# Altium PCB PCB1.PcbDoc (part 2 of 2)
Units mil, origin at the board's own origin, x right, y up, seen from the top; angles counter-clockwise.
Board outline 1259.84 x 1259.84 mil, 4 copper layers (Component Side, Ground Plane, Power Plane, Solder Side), stack 33.234 mil thick; 73 components, 44 nets, 253 pads, 496 vias.
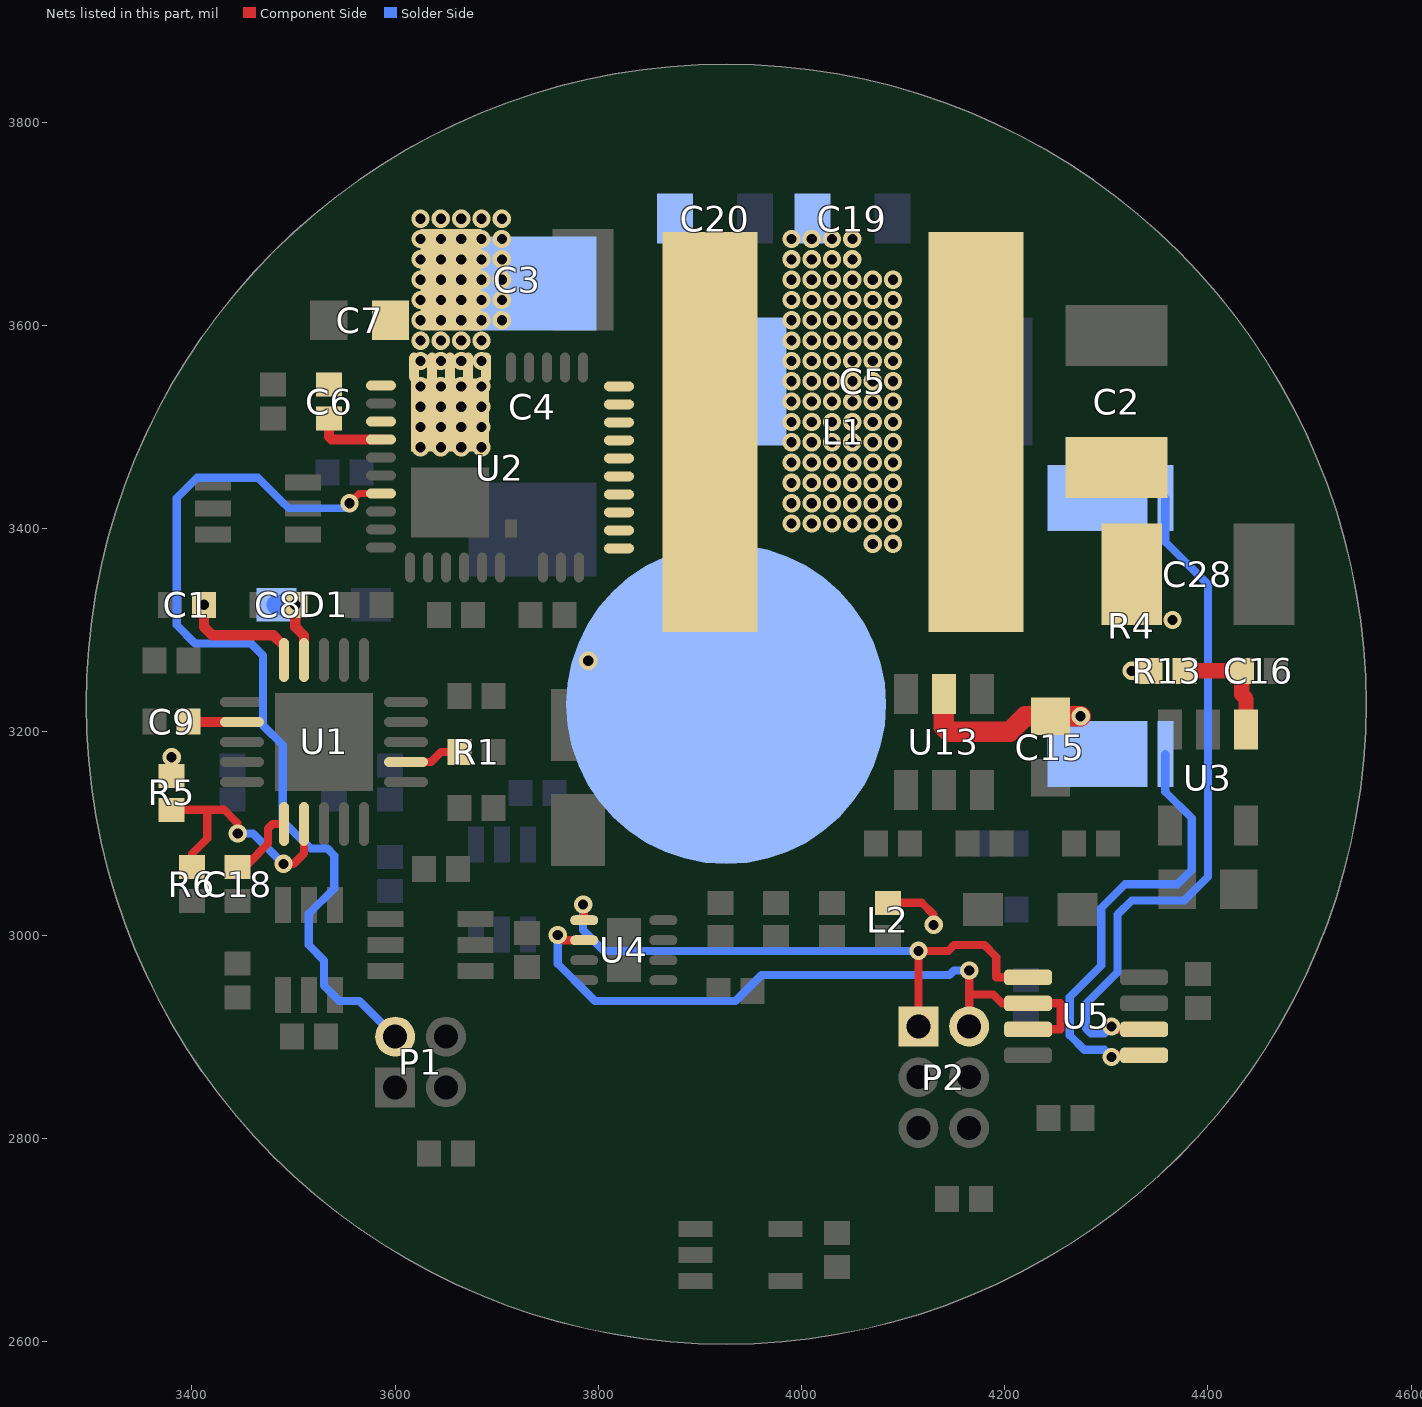
[diagram p4: the nets of this part, all layers, seen from the top]

## Via types
v1: diameter 18, hole 10, Component Side to Solder Side, tented both sides, 496 vias

## Nets (pads, with @x,y where several pads share a name; then routed paths per layer and width w, separated by ;. In a path a pad name is that pad's centre, name@x,y a point inside that pad or via, vN(x,y) a via of type N, cw(c..) or ccw(c..) an arc to the next point about the centre after c; other vN are vias at no path point) (continued)
RT: R1.2 U1.12 | length 56.6
  Component Side w8: U1.12@3610.71,3170.32 3635.32,3170.32 3645,3180 R1.2@3663.27,3180
SCL: P2.1 U4.5 U5.5 | length 608.6
  Component Side w8: U4.5@3786.02,3014.53 v1@3786.02,3028.98 ; P2.1@4130,2925 P2.1@4115,2910 v1(4115,2984.4) 4144.4,2984.4 4150,2990 4180,2990 4191.61,2978.39 4191.61,2958.39 U5.5@4222.91,2958.39
  Solder Side w8: v1(3785,3030) 3785,3005 3805.6,2984.4 v1(4115,2984.4)
SDA: P2.2 U4.6 U5.6 U5.7 | length 690.3
  Component Side w8: v1(3760,3000) 3765.16,2994.84 U4.6@3786.02,2994.84 ; P2.2@4165,2910 4165,2941.29 ; v1(4165,2965) 4165,2941.29 ; U5.7@4222.91,2907.2 4255,2907.2 4255,2932.8 U5.6@4227.91,2932.8 ; U5.6@4222.91,2932.8 4197.2,2932.8 4188.71,2941.29 4165,2941.29
  Solder Side w8: v1(3760,3000) 3760,2971.73 3796.73,2935 3935,2935 3960.6,2960.6 4145.6,2960.6 4150,2965 v1(4165,2965)
SPSBOOT: C6.1 U2.33 | length 66.9
  Component Side w10: 3535,3490 C6.1@3535,3508.27 ; 3537.36,3487.64 U2.33@3585.99,3487.64
SPSLX: C6.2 U2.32
SPSTEMP: P1.2 U2.36 | length 921.2
  Component Side w7: v1(3555,3425) 3564.49,3434.49 U2.36@3585.99,3434.49
  Solder Side w7: 3490,3425 3495,3420 3550,3420 v1(3555,3425)
  Solder Side w8: 3490,3425 3465,3450 3405,3450 3385,3430 3385,3305 3403.17,3286.83 3458.17,3286.83 3470,3275 3470,3206.3 3489.4,3186.9 3489.4,3112.15 3516.55,3085 3533.27,3085 3540,3078.27 3540,3045.87 3515,3020.87 3515,2990 3530,2975 3530,2950 3545,2935 3565,2935 P1.2@3600,2900
SS: C18.2 U1.6 | length 60.7
  Component Side w8: C18.2@3455,3070 3475,3090 3475,3105 3479.29,3109.29 U1.6@3490.63,3109.29
SW: L1.1 U2.10 U2.11 U2.12 U2.13 U2.14 U2.15 U2.16 U2.17 U2.18 U2.19
VBATT: C3.2 C4.1 C5.1 C7.2 C19.2 C20.2 R4.0 U2.25 U2.26 U2.27 U2.28 U2.29 U2.30
  other v1: 4070,3385 4090,3385 3990,3405 4010,3405 4030,3405 4050,3405 4070,3405 4090,3405 3990,3425 4010,3425 4030,3425 4050,3425 4070,3425 4090,3425 3990,3445 4010,3445 4030,3445 4050,3445 4070,3445 4090,3445 3990,3465 4010,3465 4030,3465 4050,3465 4070,3465 4090,3465 3625,3480 3645,3480 3665,3480 3685,3480 3990,3485 4010,3485 4030,3485 4050,3485 4070,3485 4090,3485 3625,3500 3645,3500 3665,3500 3685,3500 3990,3505 4010,3505 4030,3505 4050,3505 4070,3505 4090,3505 3625,3520 3645,3520 3665,3520 3685,3520 3990,3525 4010,3525 4030,3525 4050,3525 4070,3525 4090,3525 3625,3540 3645,3540 3665,3540 3685,3540 3990,3545 4010,3545 4030,3545 4050,3545 4070,3545 4090,3545 3625,3565 3645,3565 3665,3565 3685,3565 3990,3565 4010,3565 4030,3565 4050,3565 4070,3565 4090,3565 3625,3585 3645,3585 3665,3585 3685,3585 3990,3585 4010,3585 4030,3585 4050,3585 4070,3585 4090,3585 3625,3605 3645,3605 3665,3605 3685,3605 3705,3605 3990,3605 4010,3605 4030,3605 4050,3605 4070,3605 4090,3605 3625,3625 3645,3625 3665,3625 3685,3625 3705,3625 3990,3625 4010,3625 4030,3625 4050,3625 4070,3625 4090,3625 3625,3645 3645,3645 3665,3645 3685,3645 3705,3645 3990,3645 4010,3645 4030,3645 4050,3645 4070,3645 4090,3645 3625,3665 3645,3665 3665,3665 3685,3665 3705,3665 3990,3665 4010,3665 4030,3665 4050,3665 3625,3685 3645,3685 3665,3685 3685,3685 3705,3685 3990,3685 4010,3685 4030,3685 4050,3685 3625,3705 3645,3705 3665,3705 3685,3705 3705,3705
VCCINT: C8.2 D1.1 U1.19 | length 79.6
  Component Side w10: v1(3501.73,3325) 3501.73,3303.27 3510.31,3294.69 U1.19@3510.31,3270.71
  Solder Side w10: D1.1@3480,3325 D1.1@3483.4,3325
  Solder Side w20: D1.1@3483.4,3325 v1(3501.73,3325)
VCCS: C1.2 C15.2 pad.0 R4.1 R13.1 U1.20 U13.5 | length 315.8
  Component Side w10: v1(3411.73,3325) 3411.73,3303.27 3420,3295 3480,3295 3490.63,3284.37 U1.20@3490.63,3270.71
  Component Side w15: v1(4325,3260) R13.1@4343.27,3260
  Component Side w20: U13.5@4140,3237.24 4140,3205 4145.04,3199.96 4204.96,3199.96 4220.31,3215.32 C15.2@4245,3215.32 v1(4274.69,3215.32)
  other v1: 3790,3270
VFB: R5.1 R6.1 U1.7 | length 254.2
  Component Side w8: R5.1@3380,3123.27 3415,3123.27 ; R6.1@3400,3066.73 3400,3080 3415,3095 3415,3123.27 ; v1(3445,3100) 3445,3110 3431.73,3123.27 3415,3123.27 ; v1(3490,3070) 3500,3070 3510.31,3080.31 U1.7@3510.31,3109.29
  Solder Side w8: v1(3445,3100) 3460,3100 v1(3490,3070)
VLDO: C16.2 R13.2 U3.1 | length 116
  Component Side w15: R13.2@4376.73,3260 C16.2@4433.27,3260 4433.27,3236.73 4437.4,3232.6 U3.1@4437.4,3202.24
VLED: C2.2 C28.2 L1.2 L2.1 R5.2 | length 78.1
  Component Side w8: R5.2@3380,3156.73 v1(3380,3175) ; L2.1@4085,3031.73 4118.27,3031.73 4130,3020 v1(4130,3010)
  other v1: 4365,3310
VREF: C9.2 U1.2 | length 52.7
  Component Side w10: C9.2@3396.73,3210 3397.05,3209.69 U1.2@3449.29,3209.69
VSEN_N: R4.2 U5.2 | length 687.6
  Component Side w8: v1(4305,2910) 4307.8,2907.2 U5.2@4342.09,2907.2
  Solder Side w8: v1(4305,2910) 4298,2903 4285,2903 4280,2908 4280,2932.37 4311,2963.37 4311,3020 4325,3034 4376.63,3034 4400,3057.37 4400,3345 4357.99,3387.01 R4.2@4357.99,3430
VSEN_P: R4.3 U5.1 | length 454.9
  Component Side w8: v1(4305,2880) 4306.61,2881.61 U5.1@4342.09,2881.61
  Solder Side w8: v1(4305,2880) 4298,2887 4278.37,2887 4264,2901.37 4264,2939 4295,2970 4295,3026.63 4318.37,3050 4370,3050 4384,3064 4384,3115 4357.99,3141.01 R4.3@4357.99,3177.99
pads on no net: U2.1 U2.6 U2.31 U2.37 U2.39 U2.41 U3.2

## Polygon pours and split planes (outlines as drawn)
GND on Component Side "Component Side-No Net 1" (solid, remove dead copper, pour order 87): 17 vertices, not listed, extent 4208.3,2924.5 4384.41,3140
GND on Component Side "Component Side-No Net 1" (solid, remove dead copper, pour order 81): 4076.6,2840 4188.23,2840 4190.93,2837.3 4195,2833.23 4195,2690 4062.7,2690 4057.8,2694.91 4055,2697.7 4055,2840
GND on Component Side "Component Side-No Net 1" (solid, remove dead copper, pour order 76): 3705,2795 3599.22,2795 3579.22,2815 3550.6,2843.62 3550.6,2870 3550.6,2881.13 3541.73,2890 3490,2890 3490,2745 3485,2740 3580,2645 3745,2645
GND on Component Side "Component Side-No Net 1" (solid, remove dead copper, pour order 75): 3540,2980 3540,2910 3649.56,2910 3687.55,2872.01 3705,2889.46 3705,3015 3581.46,3015 3573.11,3023.34 3564.77,3015 3480,3015
GND on Component Side "Component Side-No Net 1" (solid, remove dead copper, pour order 99): 4250.56,3535.2 4250.76,3535 4300,3535 4350,3535 4375,3510 4370,3505 4370,3225 4660,3225 4665,3230 4730,3295 4730,3725 4580,3725 4450,3855 4240,3855
GND on Component Side "Component Side-No Net 1" (solid, remove dead copper, pour order 92): 22 vertices, not listed, extent 3372.33,2560 4160,2954.42
GND on Component Side "Component Side-No Net 1" (solid, remove dead copper, pour order 88): 3240,3640 3255,3640 3686.14,3640 3686.14,3294.6 4760,3294.6 4760,2450 3210,2450
VBATT on Component Side "Component Side-No Net 1" (solid, remove dead copper, pour order 132): 3970,3694.52 3972.73,3697.25 4118.54,3697.25 4118.54,3398.54 4115,3395 3995,3395 3965,3395
3V3AUX on Component Side "Component Side-No Net 1" (solid, pour order 115): 3455,3395 3460,3390 3520,3390 3524.79,3390 3540.31,3405.53 3565,3415 3565,3475 3470,3475 3455,3460
GND on Component Side "Component Side-No Net 1" (solid, remove dead copper, pour order 113): 18 vertices, not listed, extent 3455,3337.89 3609.88,3469.92
VBATT on Component Side "Component Side-No Net 1" (solid, remove dead copper, pour order 96): 3977.75,3395 3970,3395 3975,3695 4095,3695 4100,3690 4100,3650 4100,3395
GND on Component Side "Component Side-No Net 1" (solid, remove dead copper, pour order 86): 3616.53,3470 3770,3465 3770,3450 3790,3430 3785,3425 3665,3425 3625,3425 3620,3420
GND on Component Side "Component Side-No Net 1" (solid, remove dead copper, pour order 129): 4315,2975 4265,2975 4145,2975 4135,2985 4120.95,2999.05 4120.95,3069.6 4120.95,3105.95 4135,3120 4145,3130 4330,3130 4330,3025 4335,3020 4335,2975
VBATT on Component Side "Component Side-No Net 1" (solid, remove dead copper, pour order 80): 3725,3720 3725,3605 3710,3590 3700,3580 3700,3570 3700,3470 3630,3470 3610,3470 3615,3475 3615,3705 3615,3715 3620,3720
SW on Component Side "Component Side-No Net 1" (solid, remove dead copper, pour order 109): 3860,3715 3970,3715 3970,3630 3970,3270 3845,3270 3815,3270 3805,3280 3800,3285 3800,3375 3800,3710 3795,3715
VBATT on Component Side "Component Side-No Net 1" (solid, remove dead copper, pour order 105): 21 vertices, not listed, extent 3570,3530 3745,3715
GND on Component Side "Component Side-No Net 1" (solid, remove dead copper, pour order 103): 3740,3715 3705.98,3715 3615.98,3625 3575.98,3665 3475,3665 3475,3780 3510,3815 3585,3890 3790,3890
GND on Component Side "Component Side-No Net 1" (solid, remove dead copper, pour order 90): 18 vertices, not listed, extent 4020,3525 4590,4055
VLED on Component Side "Component Side-No Net 1" (solid, remove dead copper, pour order 93): 4390,3530 4390,3295 4170,3295 4115,3295 4115,3510 4115,3705 4110,3710 4115,3705 4240,3705 4240,3540 4250,3530
GND on Component Side "Component Side-No Net 1" (solid, remove dead copper, pour order 98): 4415,3530 4415,3295 4430,3295 4570,3295 4565,3300 4565,3385 4675,3495 4670,3500 4670,3625 4345,3625 4330,3610
SPSLX on Component Side "Component Side-No Net 1" (solid, remove dead copper, pour order 100): 3520,3565 3525,3560 3580,3560 3580,3541.02 3574.49,3535.51 3575,3535 3575,3520 3580,3515 3600,3515 3600,3495 3595,3490 3535,3490 3525,3490 3520,3495
GND on Component Side "Component Side-No Net 1" (solid, remove dead copper, pour order 106): 3565,3665 3570,3660 3570,3565 3385,3565 3415,3595 3415,3635 3430,3635 3470,3675 3475,3680 3560,3680
VBATT on Component Side "Component Side-No Net 1" (solid, remove dead copper, pour order 114): 3975,3580 4100,3580 4100,3395 3975,3395
NetC11_2 on Component Side "Component Side-No Net 1" (solid, remove dead copper, pour order 118): 4083.19,3170.04 4119.96,3170.04 4120,3170 4120,3075 4075,3075 4060,3090 4060,3170
3V3AUX on Component Side "Component Side-No Net 1" (solid, remove dead copper, pour order 119): 3632.45,3337.55 3639.89,3345 3680,3345 3731.54,3345 3733.27,3343.27 3735,3341.54 3735,3280 3690,3280 3680,3270 3679.73,3269.73 3627.32,3269.73 3620,3277.06 3620,3340
GND on Component Side "Component Side-No Net 1" (solid, remove dead copper, pour order 120): 4120,3170 4120,3065 4125,3060 4170,3060 4175,3065 4175,3105 4175,3120 4170,3125 4165,3130 4165,3170
GND on Component Side "Component Side-No Net 1" (solid, remove dead copper, pour order 121): 21 vertices, not listed, extent 4073.27,3090 4280,3200
3V3 on Component Side "Component Side-No Net 1" (solid, remove dead copper, pour order 122): 4365,3015 4400,3015 4405,3020 4405,3055 4405,3130 4410,3135 4455,3135 4460,3130 4460,3060 4460,3000 4450,2990 4435,2975 4385,2975 4365,2975
GND on Component Side "Component Side-No Net 1" (solid, remove dead copper, pour order 123): 21 vertices, not listed, extent 4315,3015 4410,3225
GND on Component Side "Component Side-No Net 1" (solid, remove dead copper, pour order 124): 4220,3090 4310,3090 4310,3268.94 4313.03,3271.97 4311.06,3270 4180,3270 4180,3092.68 4177.32,3090
GND on Component Side "Component Side-No Net 1" (solid, remove dead copper, pour order 126): 4340,3230 4311.83,3231.13 4311.83,3142.75 4311.83,3078.17 4320,3070 4315,3065 4315,2980 4315,2975 4565,2975 4595,2975 4625,3005 4670,3050 4670,3230 4470,3230 4465,3225
3V3 on Component Side "Component Side-No Net 1" (solid, remove dead copper, pour order 79): 4315,2975 4315,2945 4415,2945 4420,2950 4420,2980 4320,2980 4315,2985
GND on Component Side "Component Side-No Net 1" (solid, remove dead copper, pour order 85): 4250,2985 4250,2860 4270,2840 4410,2840 4465,2840 4480,2855 4540,2915 4540,3015 4270,3015 4250,3035
GND on Component Side "Component Side-No Net 1" (solid, remove dead copper, pour order 110): 3468,3473.92 3468,3377 3490,3355 3510.75,3334.25 3612.68,3334.25 3612.68,3367.32 3600,3380 3600,3475
SPSBOOT on Component Side "Component Side-No Net 1" (solid, remove dead copper, pour order 83): 3514.6,3519.92 3516.52,3518.01 3516.52,3481.75 3596.75,3481.75 3600,3485 3598.97,3486.03 3598.97,3506.71 3576.37,3506.71 3555.4,3527.68 3553.07,3530 3515,3530
3V3AUX on Component Side "Component Side-No Net 1" (solid, remove dead copper, pour order 89): 3665,3310 3660.28,3305.28 3660.28,3257.8 3697.2,3257.8 3705,3250 3700,3245 3700,3209.68 3790.32,3209.68 3795,3205 3790,3210 3790,3305 3790,3310
GND on Component Side "Component Side-No Net 1" (solid, remove dead copper, pour order 97): 18 vertices, not listed, extent 3535,2740 4239.62,3059
GND on Component Side "Component Side-No Net 1" (solid, remove dead copper, pour order 78): 4315,3140.48 4404.52,3140.48 4410,3135 4420,3125 4420,2967.84 4307.84,2967.84 4300,2960 4295,2965 4295,3140
GND on Component Side "Component Side-No Net 1" (solid, remove dead copper, pour order 82): 4289.9,3196.56 4298.74,3187.73 4298.74,3043.92 4243.58,3043.92 4237.5,3050 4231.02,3056.48 4214.36,3056.48 4214.36,3172.61 4204.96,3182.01
GND on Component Side "Component Side-No Net 1" (solid, remove dead copper, pour order 77): 3564.52,3670.48 3565,3670 3565,3565 3440,3565 3430,3555 3380,3605 3380,3695 3350,3725
GND on Component Side "Component Side-No Net 1" (solid, remove dead copper, pour order 133): 3705,2740 3865,2740 3950,2740 3965,2740 3975,2730 3990,2715 3990,2570 3630,2570 3610,2550 3620,2560 3620,2740
3V3AUX on Component Side "Component Side-No Net 1" (solid, remove dead copper, pour order 134): 18 vertices, not listed, extent 3661.01,3120 3910,3289.6
GND on Component Side "Component Side-No Net 1" (solid, remove dead copper, pour order 135): 4037.75,3096.03 3821.03,3096.03 3820,3095 3820,3000 4085,3000 4090,3005 4095.07,3010.07 4095.07,3100
3V3AUX on Component Side "Component Side-No Net 1" (solid, remove dead copper, pour order 136): 3810,3240 3845,3240 3850,3235 3850,3210 3860,3200 3873.07,3186.93 3873.07,3160 3860,3160 3850,3150 3760,3150 3760,3235 3765,3240
GND on Component Side "Component Side-No Net 1" (solid, pour order 137): 3977.75,3294.6 3977.35,3295 3800,3295 3800,3250 3810,3240 3825,3225 4055,3225 4090.35,3225 4102.6,3237.24 4104.84,3235 4115,3235 4120,3235 4130,3245 4130,3295
AUXSW on Component Side "Component Side-No Net 1" (solid, remove dead copper, pour order 138): 21 vertices, not listed, extent 3970,3060 4125,3270
VBATT on Component Side "Component Side-No Net 1" (solid, remove dead copper, pour order 139): 4107.25,3395 4107.25,3377.25 4105,3375 4090,3375 4065,3375 4060,3380 4060,3400 4055,3400 4050,3405 4050,3445 4105,3445
SW on Component Side "Component Side-No Net 1" (solid, remove dead copper, pour order 140): 3807.4,3549.88 3836.34,3549.88 3841.63,3544.59 3846.61,3539.61 3846.61,3375.45 3810.05,3375.45 3802.58,3382.92 3802.27,3383.23 3802.27,3547.24 3802.27,3548.01 3804.29,3550.04
SW on Component Side "Component Side-No Net 1" (solid, remove dead copper, pour order 141): 3802.26,3412.24 3802.26,3350.79 3829.33,3350.79 3836.69,3343.44 3842.49,3349.23 3842.49,3391.95 3822.54,3391.95
GND on Component Side "Component Side-No Net 1" (solid, remove dead copper, pour order 142): 18 vertices, not listed, extent 3650,3295 4330,3945
GND on Component Side "Component Side-No Net 1" (solid, remove dead copper, pour order 143): 3794.52,3424.64 3794.52,3294.48 3790,3289.96 3785.36,3294.6 3713.86,3294.6 3713.86,3363.86 3720,3370 3722.28,3372.28 3735.59,3372.28 3735.59,3424.64
GND on Solder Side "Component Side-No Net 1" (solid, remove dead copper, pour order 94): 4105,2760 4110,2755 4210,2755 4210,2555 4230,2535 4220,2525 3815,2525 3815,2530 3740,2605 3735,2610 3735,2760
GND on Solder Side "Component Side-No Net 1" (solid, remove dead copper, pour order 84): 3580.32,2900.2 3635.77,2844.74 4258.9,2844.74 4258.9,2613.9 4250,2605 4195,2550 3580,2550
GND on Solder Side "Component Side-No Net 1" (solid, pour order 117): 3545,3575 3545,3410 3550,3405 3570,3385 3685,3385 3733.06,3385 3741,3392.94 3765,3416.94 3765,3625 3600,3625 3580,3645 3570,3635 3545,3635
3V3 on Solder Side "Component Side-No Net 1" (solid, pour order 111): 3599.36,3117.72 3605.22,3111.86 3666.83,3111.86 3666.83,3052.18 3660.27,3045.63 3639.64,3025 3619.82,3025 3600,3025
3V3AUX on Solder Side "Component Side-No Net 1" (solid, pour order 108): 3583.17,3096.83 3585,3095 3670,3095 3670,3210 3665,3215 3650,3230 3585,3230 3580,3230
GND on Solder Side "Component Side-No Net 1" (solid, remove dead copper, pour order 104): 3685,3070 3655,3070 3655,3140 3693.46,3140 3695,3138.46 3695,3125 3695,3115 3685,3105
GND on Solder Side "Component Side-No Net 1" (solid, remove dead copper, pour order 102): 4065,3140 4224.82,3140 4237.57,3127.25 4252.17,3112.65 4252.17,2932.57 4028.41,2932.57 4024.36,2928.52 4020,2932.89 4020,3135
VBATT on Solder Side "Component Side-No Net 1" (solid, remove dead copper, pour order 112): 28 vertices, not listed, extent 3605,3295 4345,3715
VCCS on Solder Side "Component Side-No Net 1" (solid, remove dead copper, pour order 116): 18 vertices, not listed, extent 3790,3070 4345,3400
GND on Solder Side "Component Side-No Net 1" (solid, remove dead copper, pour order 125): 17 vertices, not listed, extent 4045,3050 4595,3520
VBATT on Solder Side "Component Side-No Net 1" (solid, remove dead copper, pour order 127): 4105,3677.79 4122.21,3677.79 4125,3675 4125,3600 4125,3485 4135,3475 4135,3440 3940,3440 3930,3450 3900,3420 3830,3420 3830,3705 3835,3710 3840,3705 4045,3705
GND on Solder Side "Component Side-No Net 1" (solid, remove dead copper, pour order 128): 4345,3115 4350,3110 4475,3110 4475,3355 4465,3365 4385,3445 4345,3445 4306.06,3445 4291.06,3430 4305,3416.06 4305,3130
3V3 on Solder Side "Component Side-No Net 1" (solid, remove dead copper, pour order 101): 4345,3035 4350,3040 4435,3040 4435,2955 4430,2950 4420,2960 4340,2960
GND on Solder Side "Component Side-No Net 1" (solid, remove dead copper, pour order 130): 3605.15,3474.85 3610,3470 3610,3375 3630,3375 3665,3340 3666.88,3338.12 3803.49,3338.12 3833.12,3338.12 3835,3340 3835,3440 3835,3495 3840,3500 3825,3515 3605,3515
GND on Solder Side "Component Side-No Net 1" (solid, remove dead copper, pour order 131): 3600,3915 3635,3525 3785,3395 4315,3370 4500,3805 4450,3925 4445,3930 4255,3930
3V3AUX on Solder Side "Component Side-No Net 1" (solid, remove dead copper, pour order 107): 3509.38,3523.37 3511.01,3525 3565,3525 3565,3435 3555,3425 3550,3420 3505,3420
GND on Solder Side "Component Side-No Net 1" (solid, remove dead copper, pour order 95): 3490,3225 3490,3156.75 3490,3129.25 3575,3129.25 3574.6,3224.6 3575,3225
GND on Solder Side "Component Side-No Net 1" (solid, remove dead copper, pour order 91): 18 vertices, not listed, extent 3010,2570 4790,3905
no net on Bottom Overlay "Component Side-No Net 1" (solid): 3425,3455 3380,3475 3350,3484.8 3334.8,3455 3334.8,3445.23 3334.8,3425.2 3350,3410 3365,3395 3400,3395
no net on Bottom Overlay "Component Side-No Net 1" (solid): 3441.73,2970.89 3372.91,2925.3 3355,2957.56 3343.7,2986.3 3334.39,3010 3370,3000 3420,3000 3420,3010
no net on Bottom Overlay "Component Side-No Net 1" (solid): 3585,3660 3535,3735 3575,3760 3620,3785 3665,3810 3610,3680
no net on Bottom Overlay "Component Side-No Net 1" (solid): 3710,3735 3675,3815 3620,3785 3635,3705
GND on Top Overlay "Component Side-No Net 1" (solid): 3469.96,3276.61 3443.39,3250.04 3443.39,3276.61
VBATT on Ground Plane (split plane): 27 vertices, not listed, extent 3610.1,3375.1 4099.9,3714.9
GND on Ground Plane (split plane): 199 vertices, not listed, extent 3315.49,2616.91 4536.08,3837.5
VBATT on Power Plane (split plane): 34 vertices, not listed, extent 3605.1,3375.1 4104.9,3719.9
VCCS on Power Plane (split plane): 24 vertices, not listed, extent 3400.1,3255.1 3809.9,3359.9
GND on Power Plane (split plane): 109 vertices, not listed, extent 3414.79,3230.1 4535.97,3837.5
GND on Power Plane (split plane): 4269.9,3135.68 4269.9,3070.1 4205.1,3070.1 4205.1,3170 4204.71,3171.95 4204.71,3185 4220.58,3185
VLED on Power Plane (split plane): 85 vertices, not listed, extent 3370.1,2990.1 4379.9,3329.9
3V3AUX on Power Plane (split plane): 78 vertices, not listed, extent 3315.49,3045.1 4194.9,3549.9
3V3 on Power Plane (split plane): 87 vertices, not listed, extent 3346.73,2616.91 4535.8,3284.9

## Keep-outs
Keep-Out Layer:
  circle w10: c3925.79,3227.2 r629.92
  lines w10: 3700,2740 3700,2870 4060,2870 4060,2740 3700,2740

## Other copper
Ground Plane (plane layer: these items are gaps in the copper):
  rectangle: 3570,2820 3710,2920
  rectangle: 3700,2875 3780,2930
  rectangle: 4135,2780 4190,2835
  rectangle: 4085,2835 4190,2935
  lines w10: 3495,2773.15 3535,2733.15 ; 3697.21,2725 3712.21,2740 3905,2740 ; 3744.9,3060 3730,3074.9 3730,3105 3720,3115 3700,3115 3680,3135 3680,3160 3680,3280 3605,3355 3605,3465 ; 3750,3060 4105,3060 4115,3050 4150,3050 4160,3060 4160,3075 4195,3075 4280,3075 4295,3060 4375,3060 4480,3165 4560,3165 ; 4105,3390 4105,3670 4055,3720 3615,3720 3605,3710 3605,3465 ; 4105,3395 4105,3375 4100,3370 4057.79,3370 4037.79,3390 3910,3390 3910,3540 3890,3560 3705,3560 3705,3465 3605,3465 ; 4545,3153.17 4551.34,3153.17 ; 4548.43,3128.59 4548.43,3165
Power Plane (plane layer: these items are gaps in the copper):
  rectangle: 4185,3182.21 4195,3195
  rectangle: 4195,3171.95 4204.71,3195
  rectangle: 4205,3185 4220.58,3200
  rectangle: 4180,3185 4210,3205
  rectangle: 3700,2885 3780,2935
  rectangle: 4200,3040 4275,3065
  rectangle: 4152.79,3031.3 4275,3050
  rectangle: 3565,2810 3700,2935
  rectangle: 4060,2775 4200,2945
  lines w10: 3325,3040 3480,3040 3545,3105 3690,3105 3735,3150 3735,3165 4145,3165 4155,3155 4155,3055 4165,3045 4190,3045 4200,3055 4200,3170 4170,3200 4160,3200 ; 3388.28,3556.59 3389.87,3555 3600,3555 ; 3420.62,3255 3545,3255 3595,3305 3755,3305 3765,3295 3765,3260.08 3764.92,3260.08 3775,3250 3800,3250 3815,3265 3815,3310 3760,3365 3505,3365 3490,3350 3395,3350 3395,3280 3420.62,3254.38 3420.62,3240.62 3365,3185 3365,3160 3400,3160 3460.1,3220.1 3575.1,3220.1 3625,3270 3710,3270 3730,3250 3730,3215 3745,3200 4212.79,3200 4275,3137.79 4275,3040 4275,3031.3 4156.3,3031.3 4155,3030 4120,3030 4109.9,3019.9 4109.9,3007.31 4132.21,2985 4280,2985 4315,3020 4315,3160 4274.69,3200.32 4274.69,3234.68 4330,3290 4380,3290 4385,3295 4385,3325 4375,3335 4335,3335 ; 3600,3365 3600,3465 ; 3805,3255 3830,3230 4225,3230 4330,3335 4340,3335 ; 4200,3065 4275,3065 ; 4382.5,3292.5 4382.5,3262.5 4420,3225 4565,3225 ; 3600,3465 3705,3465 3705,3550 3925,3550 3970,3505 3970,3390 4040,3390 4060,3370 4100,3370 4110,3380 4110,3390 4110,3660 4045,3725 3855,3725 3845,3715 3745,3715 3735,3725 3610,3725 3600,3715 3600,3465

## Silkscreen, mask and mechanical layers (free items; w line width, h text height)
Top Overlay:
  circle w10: c3925.79,3227.2 r590.55
  rectangle: 4440,3143.19 4459.06,3166.81
  rectangle: 4262.28,2860.94 4297.72,2880
  rectangle: 4080.94,3178.19 4105,3201.81
  rectangle: 3855,2705 3870,2720
  rectangle: 4055,3136.38 4075,3155
  rectangle: 3453.19,3435 3476.81,3463.31
  rectangle: 3530,2973.19 3558.31,2996.81
  rectangle: 3435,3285 3445,3295
  rectangle: 3535,3355 3565,3380
  rectangle: 3623.19,2946.69 3646.81,2970
  rectangle: 3928.19,2710 3951.81,2728.31
  rectangle: 3870,2915 3885,2930
  rectangle: 4209.25,3001.38 4219.88,3048.62
  lines w7.87: 4189.57,2945.43 4079.57,2945.43 4079.57,2774.57 4200.43,2774.57 4200.43,2864.57
  lines w10: 3900,3105 3885,3090 3995,3090 ; 3975,3305 4105,3305 4085,3325 ; 4280,3275 4295,3290 ; 4305,3230 4295,3240 4295,3290 ; 4310,3275 4295,3290
  text "L-" at 4060,3735 h78.74
  text "JLCJLCJLC" at 4060,3330 h70 r90
  text "LD+" at 4325,3125 h60 r90
  text "Ver2.1" at 3705,2890 h60
  text "Bot" at 3990,2890 h60
  text "0" at 4210,2740 h78.74
  text "T" at 4135,2680 h78.74 r90
Bottom Overlay:
  drawing of 49 lines, arcs and shapes, not listed
  text "Redstoner_35" at 4435,3395 h60 r90
  text "V3.0" at 3580,3365 h80
  text "Xtern Ripper" at 3730,3230 h80
  text "V+" at 3535,3070 h85 r90
  text "Flash" at 4415,3063.6 h80
  text "Project:" at 4010,3015 h65
  text "Light" at 4415,3010 h80
  text "OS V2" at 4395,2950 h60
  text "DiffTorch" at 4055,2940 h90
  text "Extreme" at 4020,2885 h85
Top Solder:
  rectangle: 3755,2705 3825,2740
  rectangle: 4255,3300 4365,3490
  rectangle: 3750,3680 3820,3785
  rectangle: 3820,3725 4040,3800
  lines w31.5: 4539.06,3260.49 ccw(c3925.79,3227.2) 4539.09,3259.86
Bottom Solder:
  rectangle: 4095,3345 4217.05,3407.99
  rectangle: 4095,3157.95 4217.05,3280
  lines w59.06: 3400.6,3497.26 cw(c3925.79,3227.2) 3537.78,3672.4 ; 3420.17,2922.08 ccw(c3925.79,3227.2) 3727.03,3783.3
Mechanical 6:
  lines w10: 3825,3360 3845,3360 3845,3275 3850,3270 4230,3270 4240,3280 4240,3685 4210,3715 3845,3715 3845,3620 3775,3620 3590,3620 3590,3360 3835,3360